# Allegro board HI3516APERB_VER_B_PCB.brd (continued)
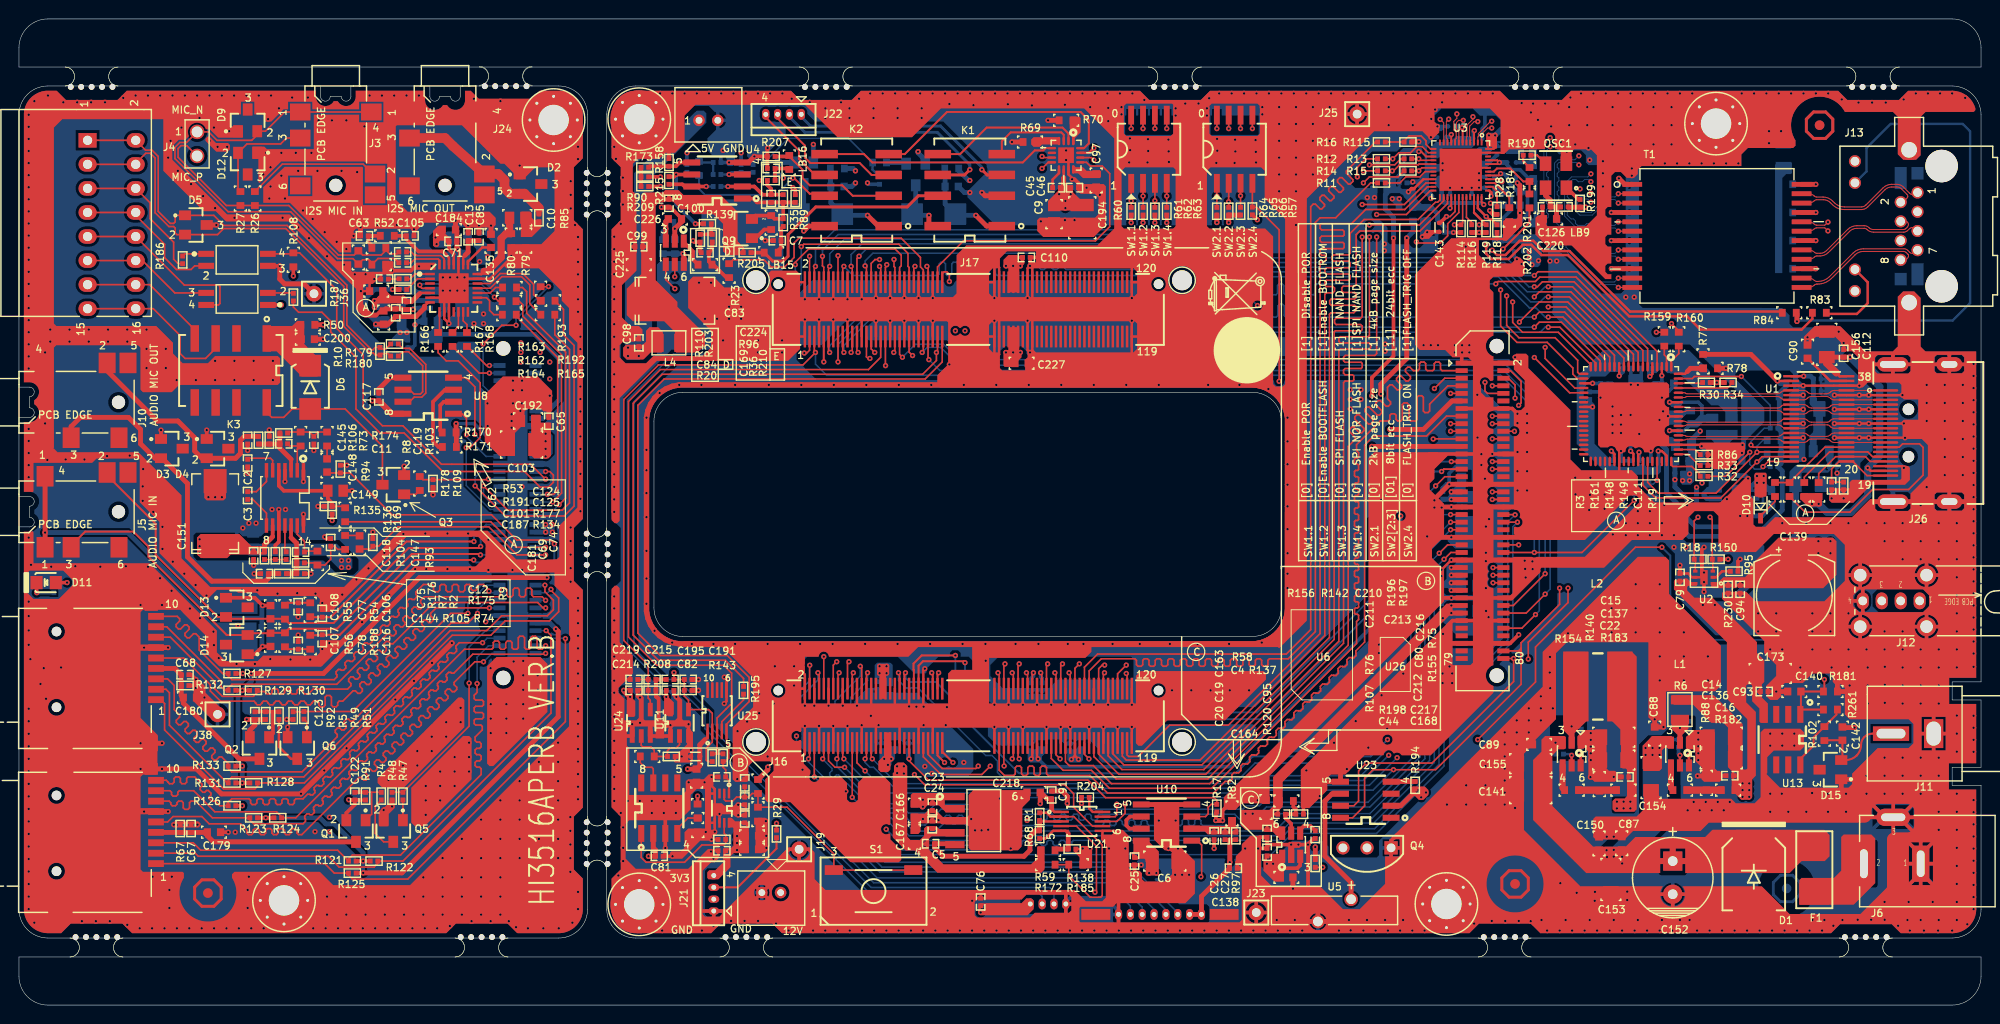
[diagram p0: board, top side]
## Nets (continued)
GND: C1.2 C6.2 C7.2 C8.2 C9.2 C14.2 C15.2 C16.2 C17.2 C18.2 C19.2 C20.2 C21.2 C22.2 C23.2 C24.2 C25.2 C26.2 C28.2 C29.2 C30.2 C31.2 C32.2 C33.2 C34.2 C35.2 C36.2 C37.2 C38.2 C39.2 C40.2 C41.2 C42.2 C43.2 C44.2 C46.2 C47.2 C48.2 C49.2 C50.2 C51.2 C52.2 C53.2 C54.2 C55.2 C56.2 C57.2 C58.2 C59.2 C60.2 C61.2 C64.2 C76.2 C79.2 C80.2 C81.2 C82.2 C83.2 C84.2 C86.2 C87.2 C88.2 C89.2 C90.2 C91.2 C92.2 C93.2 C94.2 C95.2 C96.2 C97.1 C98.2 C99.2 C100.2 C102.2 C109.2 C110.2 C111.2 C112.2 C113.2 C114.2 C115.2 C126.2 C127.2 C128.2 C129.2 C130.2 C131.2 C132.2 C133.2 C134.2 C136.2 C137.2 C138.2 C139.2 C140.2 C141.2 C142.2 C143.2 C146.2 C150.2 C152.2 C153.2 C154.2 C155.2 C156.2 C157.2 C158.2 C159.2 C160.2 C161.2 C162.2 C163.2 C164.2 C165.2 C166.2 C167.2 C168.2 C170.2 C171.2 C172.2 C173.2 C174.2 C175.2 C176.2 C177.2 C178.2 C183.2 C188.2 C189.2 C191.2 C194.2 C195.2 C196.2 C197.2 C198.2 C201.2 C202.2 C203.2 C204.2 C205.2 C206.2 C207.2 C209.2 C210.2 C211.2 C212.2 C213.2 C214.2 C215.2 C216.2 C217.2 C218.2 C219.2 C220.2 C221.2 C222.2 C223.2 C224.2 C225.2 C226.2 C227.2 D1.1 D15.1 J6.1 J6.3 J8.1 J8.2 J8.13 J8.14 J8.25 J8.26 J8.33 J8.34 J8.39 J8.40 J8.47 J8.48 J8.53 J8.54 J8.63 J8.64 J8.69 J8.70 J8.75 J8.76 J11.2 J12.4 J12.5 J12.6 J12.7 J12.8 J13.11 J13.12 J13.13 J14.8 J15.2 J16.1 J16.2 J16.6 J16.7 J16.12 J16.13 J16.18 J16.19 J16.24 J16.25 J16.30 J16.31 J16.40 J16.41 J16.46 J16.49 J16.52 J16.55 J16.61 J16.62 J16.67 J16.68 J16.73 J16.74 J16.80 J16.83 J16.86 J16.89 J16.92 J16.93 J16.98 J16.101 J16.104 J16.107 J16.110 J16.113 J16.119 J16.120 J16.121 J16.122 J16.123 J16.124 J16.125 J16.126 J16.127 J16.128 J17.1 J17.2 J17.7 J17.8 J17.13 J17.14 J17.19 J17.20 J17.25 J17.26 J17.31 J17.32 J17.37 J17.38 J17.43 J17.44 J17.49 J17.50 J17.55 J17.56 J17.61 J17.62 J17.63 J17.64 J17.75 J17.76 J17.77 J17.78 J17.119 J17.120 J17.121 J17.122 J17.123 J17.124 J17.125 J17.126 J17.127 J17.128 J18.2 J19.1(TP-1) J20.4 J21.1 J23.1(TP-1) J25.1(TP-1) J26.2 J26.5 J26.8 J26.11 J26.17 J26.20 J26.21 J26.22 J26.23 K1.2(TP-2) M5.1 M5.2 M5.3 M5.4 M5.5 M5.6 M5.7 M5.8 M5.9 M6.1 M6.2 M6.3 M6.4 M6.5 M6.6 M6.7 M6.8 M6.9 M7.1 M7.2 M7.3 M7.4 M7.5 M7.6 M7.7 M7.8 M7.9 M8.1 M8.2 M8.3 M8.4 M8.5 M8.6 M8.7 M8.8 M8.9 OSC1.2(TP-2) Q4.1 Q7.2 Q8.2 R17.1 R18.1 R19.2 R30.2 R33.2 R34.2 R37.2 R38.2 R39.2 R40.2 R41.2 R42.2 R43.2 R44.2 R45.2 R46.2 R69.2 R70.2 R78.1 R82.1 R86.1 R88.2 R90.2 R95.2 R107.1 R110.2 R115.1 R118.1 R137.2 R138.2 R140.2 R142.1 R143.2 R155.1 R157.2 R158.2 R181.2 R184.2 R185.2 R198.1 R204.2 R206.2 R207.2 R208.2 R210.2 R212.2 R230.2 S1.1 S1.2 U1.3 U1.5 U1.8 U1.11 U1.14 U1.25 U1.28 U1.31 U1.34 U1.36 U2.5 U2.7 U3.43 U3.47 U3.49 U4.4(TP-4) U5.2 U6.3(TP-3) U9.1 U10.4(TP-4) U10.5(TP-5) U11.1 U11.3 U13.5(TP-5) U15.1 U16.11 U16.17 U18.2 U19.3 U19.6 U20.2 U21.6 U22.43 U22.57 U22.63 U22.73 U23.5(TP-5) U24.1 U24.3 U25.6 U26.4 U26.5 U26.6 U27.2
PGND: C2.1(TP-1) C13.2(TP-2) C63.2(TP-2) C65.2 C66.2 C67.2 C68.2 C69.2 C70.2 C71.2 C72.2 C73.2 C74.2 C75.2 C77.2(TP-2) C78.2(TP-2) C85.2 C101.2 C103.2 C104.2 C105.2 C106.2 C116.2 C117.2 C118.2 C119.2 C135.2 C144.2 C145.2 C149.2 C151.2 C179.2 C180.2 C181.2 C182.2 C184.2 C185.2 C186.2 C187.2 C190.2 C192.2 C193.2 C199.2 C200.2 C208.2 D2.1 D3.1 D4.1 D5.3 D9.1 D12.1 J1.6 J1.9 J1.10 J1.11 J1.13 J2.6 J2.9 J2.10 J2.11 J2.13 J9.1 J9.2 J9.13 J9.14 J9.25 J9.26 J9.33 J9.34 J9.39 J9.40 J9.47 J9.48 J9.53 J9.54 J9.63 J9.64 J9.69 J9.70 J9.75 J9.76 J10.1 J10.4 J24.1 J24.4 J36.1(TP-1) J38.1(TP-1) M9.1 M9.2 M9.3 M9.4 M9.5 M9.6 M9.7 M9.8 M9.9 M10.1 M10.2 M10.3 M10.4 M10.5 M10.6 M10.7 M10.8 M10.9 Q3.2 Q5.2 Q6.2 R7.1 R48.2 R49.2 R67.2 R73.2 R74.2 R79.1 R80.2 R93.2 R94.2 R109.2 R132.2 R135.2 R189.2 R191.2 R200.2 U7.1 U7.4 U7.10 U7.14 U8.5(TP-5) U12.3 U17.6 U17.9 U17.10 U17.20 U17.24 U17.29
VDD_AUDIO: C75.1 C151.1 R81.2 R176.2 U7.9
VDDREG: C28.1 C129.1 LB12.2 U3.44 U3.45
A+: K2.4(TP-4) U16.16
A-: K1.5(TP-5) U16.2
AC_LINEL: J8.36 J16.57
AC_LINEL_C: C108.1 D13.2 J5.2 J9.36 R55.2
AC_LINER: J8.30 J16.59
AC_LINER_C: C107.1 D14.2 J5.3 J9.30 R56.2
AC_MICBIAS_L: J8.38 J16.58
AC_MICBIAS_L_C: C106.1 J9.38 R54.2
AC_MICBIAS_R: J8.28 J16.56
AC_MICBIAS_R_C: C116.1 J9.28 R188.2
AC_OUTL: J8.27 J16.50
AC_OUTL_C: C148.1 J9.27 R94.1
AC_OUTR: J8.29 J16.48
AC_OUTR_C: C147.2 J9.29 R93.1
AK7756_RSTN: J8.72 J17.53
AK7756_RSTN_C: J9.72 R193.2
ALARM_IN: J7.5 J7.6 R186.2
ALARM_IN_GND: J7.7 J7.8 U12.2
ALARM_OUT: J7.9 J7.10 U14.4
ALARM_OUT_GND: J7.11 J7.12 U14.3
AN0: R14.2 R112.2 U3.17
AN1: R15.2 R113.2 U3.18
AUDIO_L_OUT: C145.1 D4.2 J10.2 R106.1(TP-1)
AUDIO_R_OUT: C144.1 D3.2 J10.3 R105.2(TP-2)
B+: K2.5(TP-5) U16.5
B-: K1.4(TP-4) U16.3
CEC_A_HDMI: R3.1 R161.2 U1.23
CEC_A_SII9022A: R151.1 U1.16 U22.71
CVBS_DAC: C142.1 D15.2 J11.1 R102.2
DAMP+: K2.2(TP-2) LB16.2 R207.1
DAMP+/A+: J22.3 K2.3(TP-3)
DAMP-: K2.7(TP-7) LB14.2 R206.1
DAMP-/B+: J22.4 K2.6(TP-6)
DC_IRIS_PWM: J17.52 R23.1
DRIVE+: K1.7(TP-7) LB15.2 R205.2
DRIVE+/A-: J22.2 K1.6(TP-6)
DRIVE-/B-: J22.1 K1.3(TP-3)
DRIVING+_G: C7.1 LB15.1 R89.2
ENSWREG: R28.2 U3.38
EPHY_CLK: J16.88 R202.1
ETH_RSTN: C143.1 J16.94 U3.29
FLASH_RSTN: J17.33 R196.2 R197.2 U25.3
FLASH_TRIG: J17.3 U21.7
FLASH_TRIG_A: J8.50 U21.9
FLASH_TRIG_A_C: J9.50 R109.1 R178.1
FLASH_TRIG_COM: J7.15 J7.16 K3.3(TP-3)
FLASH_TRIG_NO: J7.13 J7.14 K3.4(TP-4)
FLASH_TRIG_VALID: R57.2 SW2.4 U21.8
GPIO1: J17.45 U16.14
GPIO2: J17.58 U16.13
GPIO3: J17.29 U16.7
GPIO4: J17.39 U16.8
GPIO5: J17.35 R45.1 R46.1 R144.1 R145.1
HI3516A_ALARM_IN: J8.49 J16.21
HI3516A_ALARM_IN_C: J9.49 R108.2 U12.4
HI3516A_ALARM_OUT: J8.51 J16.22
HI3516A_ALARM_OUT_C: J9.51 R187.2
HOT_PLUG_HDMI: C111.1 J26.19 R19.1 U1.20
HOT_PLUG_SII9022A: R32.2 R87.1 U1.19
I2C2_SCL: J8.78 J16.17 R160.2 U23.8(TP-8) U27.5
I2C2_SCL_C: J9.78 R167.2
I2C2_SDA: J8.80 J16.42 R159.2 U23.7(TP-7) U27.4
I2C2_SDA_C: J9.80 R168.2
I2S_BCLK_TX: J8.41 J16.11
I2S_BCLK_TX_C: J9.41 R163.2
I2S_MCLK: J8.43 J16.15
I2S_MCLK_C: J9.43 R162.2
I2S_SD_RX: J8.42 J16.3
I2S_SD_RX_C: J9.42 R166.2
I2S_SD_TX: J8.44 J16.5
I2S_SD_TX_C: J9.44 R165.2
I2S_WS_TX: J8.45 J16.9
I2S_WS_TX_C: J9.45 R164.2
IO3V3_SII9022A: C51.1 C52.1 C53.1 C61.1 C172.1 C177.1 LB2.2 R77.2 R87.2 R146.2 R147.2 R151.2 U1.2 U22.3 U22.21 U22.46
IR_LED_CONTROL: J16.16 J21.2
IRIS_5V0: C83.1 C99.1 C100.1 C225.1 L4.2 Q9.3 R205.1 U4.8(TP-8)
JTAG_TCK: J14.6 J16.8
JTAG_TDI: J14.4 J16.28
JTAG_TDO: J14.7 J16.4
JTAG_TMS: J14.5 J16.26
JTAG_TRSTN: J14.3 J16.20
LED0_ACTIVE/PHY_AD0: R83.1 R119.2 U3.34
LED1_LINK/PHY_AD1: R84.1 R118.2 U3.35
LIGHT_RESISTOR: J17.9 R29.1
MDCK: J16.108 U3.30
MDI0_N: T1.3 U3.2
MDI0_P: T1.2 U3.1
MDI1_N: T1.6 U3.5
MDI1_P: T1.5 U3.4
MDI2_N: T1.9 U3.8
MDI2_P: T1.8 U3.7
MDI3_N: T1.12 U3.11
MDI3_P: T1.11 U3.10
MDIO: J16.90 R114.2 U3.31
MICBIAS_AK7756_0: C105.1 R52.2 U17.26
MICINN_AK7756_0: C62.2 C125.1 D9.2 J3.1 J3.4 J4.1 R191.1
MICINP_AK7756_0: C62.1 C124.1 J4.2 R26.2 R27.2 R53.2
MUTE: J8.31 J16.29
MUTE_C: J9.31 R169.1
PER_RSTN: C215.1 C219.1 J8.52 J17.5 R31.1 R208.1 U24.4
PER_RSTN_C: J9.52 R192.2
PHY_AD2: R16.2 R115.2 U3.13
POR_SEL: J17.57 R60.2 R195.2 SW1.1
RGMII_RX_CLK: J16.102 R11.1
RGMII_RX_DV: J16.100 R16.1
RGMII_RXD0: J16.118 R12.1
RGMII_RXD1: J16.96 R13.1
RGMII_RXD2: J16.114 R14.1
RGMII_RXD3: J16.106 R15.1
RGMII_TX_CLK: J16.109 U3.22
RGMII_TX_EN: J16.111 U3.27
RGMII_TXD0: J16.117 U3.23
RGMII_TXD1: J16.103 U3.24
RGMII_TXD2: J16.115 U3.25
RGMII_TXD3: J16.105 U3.26
RS485_A_D+: D5.2 J7.3 J7.4 R10.1 R180.2
RS485_B_D-: D5.1 J7.1 J7.2 R10.2 R179.2
RXDLY: R116.2 U3.32
SD0_LED: J8.66 J17.51
SD0_LED_C: J9.66
SD1_LED: J8.68 J17.41
SD1_LED_C: J9.68
SDIO0_CARD_DETECT: J8.20 J16.51
SDIO0_CARD_DETECT_C: J2.12 J9.20 R127.2
SDIO0_CARD_POWER_EN: J8.22 J16.53
SDIO0_CARD_POWER_EN_C: J9.22 R49.1 R51.1
SDIO0_CCLK_OUT: J8.16 J16.64
SDIO0_CCLK_OUT_C: J2.5 J9.16
SDIO0_CCMD: J8.18 J16.65
SDIO0_CCMD_C: J2.3 J9.18 R133.2
SDIO0_CDATA0: J8.15 J16.63
SDIO0_CDATA0_C: J2.7 J9.15 R130.2
SDIO0_CDATA1: J8.17 J16.66
SDIO0_CDATA1_C: J2.8 J9.17 R129.2
SDIO0_CDATA2: J8.19 J16.69
SDIO0_CDATA2_C: J2.1 J9.19 R128.2
SDIO0_CDATA3: J8.21 J16.71
SDIO0_CDATA3_C: J2.2 J9.21 R131.2
SDIO0_VOUT: C127.1 J8.23 J16.82
SDIO0_VOUT_C: J9.23 R128.1 R129.1 R130.1 R131.1 R133.1
SDIO1_CARD_DETECT: J8.8 J16.99
SDIO1_CARD_DETECT_C: J1.12 J9.8 R126.2
SDIO1_CARD_POWER_EN: J8.10 J16.84
SDIO1_CARD_POWER_EN_C: J9.10 R47.1 R48.1
SDIO1_CCLK_OUT: J8.4 J16.70
SDIO1_CCLK_OUT_C: J1.5 J9.4
SDIO1_CCMD: J8.6 J16.72
SDIO1_CCMD_C: J1.3 J9.6 R121.2
SDIO1_CDATA0: J8.3 J16.91
SDIO1_CDATA0_C: J1.7 J9.3 R123.2
SDIO1_CDATA1: J8.5 J16.76
SDIO1_CDATA1_C: J1.8 J9.5 R124.2
SDIO1_CDATA2: J8.7 J16.85
SDIO1_CDATA2_C: J1.1 J9.7 R125.2
SDIO1_CDATA3: J8.9 J16.87
SDIO1_CDATA3_C: J1.2 J9.9 R122.2
SDIO1_VOUT: C102.1 J8.11 J16.78
SDIO1_VOUT_C: J9.11 R121.1 R122.1 R123.1 R124.1 R125.1
SELRGV: R12.2 R111.2 U3.14
SYS_RSTN: C191.1 C195.1 J17.60 R143.1 R196.1 U11.4 U25.2
TEMPER_DQ: J16.14 Q4.2 R120.2
TX0+_SII9022A: J26.7 U1.10 U1.29 U22.62
TX0-_SII9022A: J26.9 U1.12 U1.27 U22.61
TX1+_SII9022A: J26.4 U1.7 U1.32 U22.65
TX1-_SII9022A: J26.6 U1.9 U1.30 U22.64
TX2+_SII9022A: J26.1 U1.4 U1.35 U22.68
TX2-_SII9022A: J26.3 U1.6 U1.33 U22.67
TX+_0: J13.1 T1.23
TX+_1: J13.3 T1.20
TX+_2: J13.4 T1.17
TX+_3: J13.7 T1.14
TX-_0: J13.2 T1.22
TX-_1: J13.6 T1.19
TX-_2: J13.5 T1.16
TX-_3: J13.8 T1.13
TX_DSCL_HDMI: J26.15 R148.1 U1.22
TX_DSCL_SII9022A: R147.1 U1.17 U22.49
TX_DSDA_HDMI: J26.16 R149.1 U1.21
TX_DSDA_SII9022A: R146.1 U1.18 U22.48
TXC+_SII9022A: J26.10 U1.13 U1.26 U22.59
TXC-_SII9022A: J26.12 U1.15 U1.24 U22.58
TXDLY: R13.2 R117.2 U3.16
UART0_RXD: J17.46 J20.3
UART0_TXD: J17.42 J20.2
UART1_RTSN: J8.60 J16.10
UART1_RTSN_C: J9.60 R170.1 R171.1
UART1_RXD: J8.56 J16.23
UART1_RXD_C: J9.56 U8.1(TP-1)
UART1_TXD: J8.58 J16.27
UART1_TXD_C: J9.58 U8.4(TP-4)
USB_DM: J12.2 J17.23
USB_DP: J12.3 J17.21
USB_OVRCUR: J17.48 R150.2 U2.3
USB_PWREN: J17.54 R18.2 U2.4
VDAC_CVBS: C140.1 J16.44 R181.1 R261.1 U13.1(TP-1)
VI_POWER: C160.1 J16.45 R17.2 U10.3(TP-3)
VO_CLK: J17.18 U22.22
VO_DAT0/BOOT_SEL: J17.40 R62.2 SW1.3 U22.13
VO_DAT1/BOOTROM_SEL: J17.36 R61.2 SW1.2 U22.11
VO_DAT2: J17.22 U22.10
VO_DAT3/SFC_DEVICE_MODE: J17.30 R63.2 SW1.4 U22.9
VO_DAT4: J17.12 U22.8
VO_DAT5: J17.10 U22.7
VO_DAT6: J17.28 U22.6
VO_DAT7: J17.6 U22.4
VO_DAT8: J17.34 U22.23
VO_DAT9/SFC_NAND_BOOT_PIN0: J17.4 R66.2 SW2.3 U22.20
VO_DAT10/SFC_NAND_BOOT_PIN1: J17.16 R65.2 SW2.2 U22.19
VO_DAT11/SFC_NAND_BOOT_PIN2: J17.27 R64.2 SW2.1 U22.18
VO_DAT12: J17.17 U22.17
VO_DAT13: J17.15 U22.16
VO_DAT14: J17.24 U22.15
VO_DAT15: J17.11 U22.14
WDG_RSTN/SYS_RSTN_OUT: C213.1 J17.59 R197.1 U25.5 U26.1
$5N43: R140.1 R154.2 R183.1
$5N44: C121.1 R25.2
$5N45: R25.1 U15.6
$5N46: C121.2 L2.1 U15.2
$5N48: R72.2 U15.5
$5N84: R154.1 U15.4
$5N261: R6.1 U9.4
$5N264: R71.2 U9.5
$5N266: C120.2 L1.1 U9.2
$5N267: R24.1 U9.6
$5N268: C120.1 R24.2
$5N269: R6.2 R88.1 R182.1
$5N279: C92.1 U18.4
$5N327: C4.2 R58.2 R137.1 U20.5
$5N334: C95.1 U20.4
$5N461: F1.1(TP-1) J6.2
$6N866: C26.1 C27.2 R82.2 R97.1 U10.2(TP-2)
$6N882: U10.6(TP-6) U10.7(TP-7)
$6N887: U10.1(TP-1) U21.4
$6N893: R59.2 R68.2 R138.1 U21.5
$6N897: R1.2 R172.2 R185.1 U21.2
$6N913: C5.2 R1.1 R68.1 U19.5 U21.3
$6N990: R204.1 U21.10
$7N571: R37.1 SW2.8
$7N573: R38.1 SW2.6
$7N577: R40.1 SW2.7
$7N580: R39.1 SW2.5
$7N585: R41.1 SW1.5
$7N588: R44.1 SW1.6
$7N590: R42.1 SW1.7
$7N591: R43.1 SW1.8
$8N612: R95.1 U2.2
$9N415: L3.1 U3.48
$9N436: R11.2 U3.19
$9N438: R184.1 U3.39
$9N480: R98.1 T1.24
$9N481: R99.1 T1.21
$9N482: R100.1 T1.18
$9N483: R101.1 T1.15
$9N553: C146.1 R98.2 R99.2 R100.2 R101.2
$9N568: J13.14 R84.2
$9N874: C39.1 C40.1 C41.1 C42.1 T1.1 T1.4 T1.7 T1.10
$9N898: J13.15 R83.2
$9N900: C126.1 C220.1 LB9.1 OSC1.4(TP-4)
$9N902: OSC1.1(TP-1) R199.2
$9N911: OSC1.3(TP-3) R190.1
$9N912: R190.2 R201.1
$9N916: R201.2 R202.2 U3.42
$10N147: J21.3 R29.2
$11N424: R102.1 R261.2 U13.8(TP-8)
$11N446: R76.1 R107.2 U6.4(TP-4)
$11N448: R156.1 U6.7(TP-7)
$11N450: C80.1 C216.1 R75.1 R155.2 S1.3 S1.4 U26.2
$11N496: R142.2 R156.2 U11.2 U24.2
$11N555: R198.2 U6.1(TP-1) U26.7
$11N593: R195.1 U25.4
$12N341: R69.1 U16.4
$12N342: R70.1 U16.1
$12N344: C45.1 U16.9
$12N345: C97.2 U16.12
$12N401: Q7.1 R144.2
$12N421: D7.1 K1.8(TP-8) Q7.3
$12N423: C133.1 D7.2 K1.1(TP-1) R21.2
$12N450: D8.1 K2.8(TP-8) Q8.3
$12N451: C134.1 D8.2 K2.1(TP-1) R22.2
$12N476: Q8.1 R145.2
$12N864: C169.1 R36.1 R96.2 R213.2 U4.2(TP-2)
$12N866: R213.1 R215.2 U4.7(TP-7)
$12N868: C84.1 R20.2 R23.2 R203.1
$12N937: R20.1 U27.1
$12N939: R139.2 R215.1 U4.6(TP-6)
$12N950: R90.1 R173.1 R209.2
$12N953: R110.1 R139.1 R203.2
$12N954: R158.1 R173.2 U4.5(TP-5)
$12N956: R211.2 R212.1 U27.6
$12N962: C223.1 LB14.1 R141.1
$12N967: Q9.1 R35.2
$12N972: R141.2 R157.1 R214.2 U4.3(TP-3)
$12N974: C224.1 LB16.1 R96.1
$12N979: C169.2 Q9.2 R35.1 R36.2 R89.1 R210.1 U4.1(TP-1)
$13N641: R34.1 U22.69
$13N642: R86.2 U22.56
$13N661: R32.1 U22.54
$13N662: R30.1 U22.70
$13N663: R33.1 U22.55
$13N666: R77.1 R78.2 U22.72
$13N672: C1.1 R31.2 U22.51
$13N751: R160.1 U22.1
$13N752: R159.1 U22.2
$14N211: C90.1 U1.37
$14N216: D10.1 R3.2
$14N239: J26.13 R161.1
$15N757: U5.1 U23.6(TP-6)
$15N768: R194.2 U23.4(TP-4)
$19N1026: D11.2 R200.1
$20N399: C67.1 C179.1 J1.4 Q1.3 R67.1
$20N434: C122.2 Q1.1 R4.1 R91.2
$20N436: Q5.1 R47.2
$20N437: Q5.3 R4.2
$20N540: C68.1 C180.1 J2.4 Q2.3 R132.1
$20N553: C123.2 Q2.1 R5.1 R92.2
$20N554: Q6.1 R51.2
$20N555: Q6.3 R5.2
$21N21: C101.1 R177.2
$21N25: R177.1 U17.1
$21N126: R134.2 U17.2
$21N132: C135.1 U17.22
$21N337: C10.2 R79.2 R85.2
$21N380: C124.2 U17.27
$21N382: C125.2 U17.28
$21N394: R162.1 U17.4
$21N396: R163.1 U17.17
$21N398: R164.1 U17.16
$21N400: R165.1 U17.18
$21N402: R166.1 U17.8
$21N407: C13.1(TP-1) C85.1 U17.23
$21N418: R167.1 U17.12
$21N420: R168.1 U17.13
$21N474: C10.1 R80.1 U17.21
$21N503: D12.2 J3.3 R27.1
$21N532: C63.1(TP-1) R52.1 R53.1
$21N540: R192.1 R193.1 U17.19
$21N596: D2.2 J24.2 J24.3 R85.1
$21N612: J3.2 R26.1
$22N273: C149.1 R135.1 R136.2 R169.2 U7.5
$22N275: C147.1 R104.2
$22N277: C118.1 R9.2 R104.1 R175.2
$22N278: C12.1 R74.1 R105.1(TP-1) R175.1 U7.12
$22N286: C3.1(TP-1) U7.7
$22N288: C148.2 R103.1
$22N289: C11.1 R8.2 U7.2
$22N290: C11.2 R73.1 R106.2(TP-2) R174.2 U7.3
$22N292: C2.2(TP-2) U7.6
$22N293: R2.1 U7.11
$22N298: C3.2(TP-2) U7.8
$22N300: C119.1 R8.1 R103.2 R174.1
$22N304: R2.2 R7.2 R176.1
$22N309: C12.2 R9.1 U7.13
$22N453: C107.2 C108.2 D13.1 D14.1 J5.1 J5.4 R189.1
$22N583: C77.1(TP-1) R54.1 R55.1
$22N609: C78.1(TP-1) R56.1 R188.1
$23N945: R180.1 U8.6(TP-6)
$23N947: R171.2 U8.3(TP-3)
$23N948: R170.2 U8.2(TP-2)
$23N961: R179.1 U8.7(TP-7)
$23N1102: R186.1 U12.1
$23N1262: R187.1 U14.2
$23N1280: Q3.1 R178.2
$23N1296: C200.1 D6.2 K3.1(TP-1) R50.2
$23N1297: D6.1 K3.8(TP-8) Q3.3

Pads without a net: D2 3; D3 3; D4 3; D9 3; D12 3; D13 3; D14 3; D15 3; J3 5 6; J5 5 6; J8 12 24 32 46 62 71 73 74 77 79; J9 12 24 32 46 62 71 73 74 77 79; J10 5 6; J16 32 33 38 39 43 47 54 60 75 81 97 112 116; J17 47 65 66 73 74 79 80 81 82 83 84 85 86 87 88 89 90 91 92 93 94 95 96 97 98 99 100 101 102 103 104 105 106 107 108 109 110 111 112 113 114 115 116 117 118; J24 5 6; J26 14; K3 2 5 6 7; NOREF#17 1; NOREF#39 1; NOREF#43 1; NOREF#45 1; NOREF#46 1; NOREF#48 1; U3 12 20 33 46; U6 5 6 8; U13 2 3 6 7; U16 6; U17 3 11 14 15; U22 24 25 27 28 29 30 31 32 33 34 35 36 37 38 39 40 41 44 45 50 52; U23 1 3; U25 7 8 9 10; U26 3

## Via types
v1: diameter 0.559, hole 0.254, TOP to BOTTOM, 2150 vias

## Routing (per net, layer and track width the routed paths; a pad name or vN(x,y) marks a point on that pad's centre or on a via; arc(x,y) is an arc through that point)
1V2_SII9022A: length 2.9
  BOTTOM w0.508: U18.5 178.08,53.51 177.8,53.79 177.8,54.03 178.23,54.46 U18.6
1V2A_SII9022A: length 12.1
  TOP w0.254: U22.60 v1(174.16,60.67) ; U22.66 v1(174.16,63.67)
  BOTTOM w0.381: C170.1 175.7,60.65 C48.1 174.18,60.65 v1(174.16,60.67) ; 177.57,61.98 177.57,63.29 177.19,63.67 175.44,63.67 C47.1 174.46,63.37 v1(174.16,63.67)
  BOTTOM w0.762: C170.1 176.99,61.4 177.57,61.98 LB1.2
1V2D_SII9022A: length 12.7
  TOP w0.254: v1(168.02,58.51) 168.35,58.19 U22.42 ; v1(172.97,58.51) 173.35,58.51 173.85,58.02 U22.53 ; v1(170.94,58.39) 170.85,58.29 U22.47 ; U22.26 v1(166.04,63.17) ; U22.12 v1(168.85,66.45) ; v1(172.09,66.39) 172.09,66.39 172.35,66.64 U22.5
  BOTTOM w0.381: v1(172.97,58.51) 173,58.49 C55.1 173,56.76 ; C56.1 168.25,58.29 v1(168.02,58.51) ; v1(170.94,58.39) 170.97,58.36 C57.1 ; C54.1 171.98,66.49 v1(172.09,66.39) ; C50.1 169.27,66.87 v1(168.85,66.45)
1V05A_PHY: length 15.7
  TOP w0.203: U3.9 v1(151.13,91.94) ; U3.40 156.2,87.22 v1(156.46,86.96) ; v1(153.57,92.36) 153.57,92.19 153.53,92.16 U3.3
  ART04 w0.381: v1(156.46,86.96) 156.11,86.96 v1(151.13,91.94)
  BOTTOM w0.381: C32.1 156.17,86.96 v1(156.46,86.96) ; C34.1 152.65,91.53 ; C34.1 153.45,92.25 v1(153.57,92.36) ; C34.1 153.45,91.07 153.42,91.03 ; v1(151.13,91.94) 150.85,91.66 C36.1 150.58,90.99 150.5,90.9
1V05D_PHY: length 9.4
  TOP w0.203: U3.36 154.33,84.78 v1(154.56,84.55) ; U3.28 151.13,84.5 151.13,84.3 v1(151,84.17)
  BOTTOM w0.381: C31.1 151,84.17 v1(151,84.17) ; C31.1 150.46,84.72 150.11,85.06 150.11,86.65 C132.1 ; C31.1 C30.1 154.39,84.72 v1(154.56,84.55)
1V8: length 78
  TOP w0.254: 111.42,26.33 v1(111.05,25.95) ; 111.42,26.33 v1(111.8,25.95) ; 111.42,26.33 J16.95
  TOP w0.508: v1(146.43,81.01) 146.43,68.29 143.7,65.56 v1(143.7,64.55) ; J8.67 v1(151.14,41.4) 150.78,41.4 v1(150.24,40.86) 132.99,23.62 R58.1 ; J8.65 v1(151.14,42.2)
  ART04 w0.508: v1(151.14,42.2) 149.79,42.2 147.32,44.67 147.32,60.93 v1(143.7,64.55)
  BOTTOM w0.508: R153.1 147.09,81.67 v1(146.43,81.01)
  vias: v1(129.41,20.21) v1(130.18,20.21)
1V8_C: length 30.4
  BOTTOM w0.508: LB7.1 40.75,74.42 C73.1 C190.1 44.5,74.42 C208.1 44.91,73.32 44.13,72.55 C186.1 ; 55.55,62.75 J9.67 ; 55.55,62.75 55.55,62.22 55.28,61.95 J9.65 ; 55.55,62.75 55.83,62.75 57.02,63.94 57.02,68.24 54.43,70.83 43.74,70.83
1V8D_AK7756EN: length 16.5
  TOP w0.254: U17.5 42.35,75.21 42.29,75.15
  TOP w0.508: C74.1 41.43,74.29 42.29,75.15
  TOP w0.559: 37.85,74.39 v1(37.52,74.39) v1(37.52,73.68) ; 37.85,74.39 40.79,74.39 ; 37.85,74.39 38.1,74.64 ; 40.79,74.39 40.54,74.64 39.15,74.64 ; 40.79,74.39 C74.1 ; 39.15,74.64 C187.1 38.39,74.94 38.1,74.64 ; 39.15,74.64 38.1,74.64
  BOTTOM w0.508: LB7.2 38.27,74.39 v1(37.52,74.39) 37.52,74.01 ; LB7.2 38.32,73.68 v1(37.52,73.68) 37.52,74.01 ; LB7.2 37.52,74.01
3V3: length 101.4
  TOP w0.254: v1(113.41,90.52) 112.9,90.01 U16.15 ; 108.97,20.67 109.24,20.4 U21.1 ; J16.37 91.92,26.12 v1(92.04,26) ; v1(91.3,26) 91.42,26.12 J16.35 ; 72.39,28.03 72.66,28.3 U25.1 ; 110.24,87.34 U16.10
  TOP w0.381: 147.07,22.55 R194.1 ; U20.3 135.19,14.76 134.87,14.45 132.72,14.45 ; v1(105.66,78.07) 105.62,78.11 105.89,78.38 C110.1 105.16,78.96 ; R63.1 v1(121.11,82.64) ; C82.1 v1(68.3,32.56) ; R62.1 v1(119.86,82.64) ; R150.1 v1(180.34,47.08) ; C27.1 R97.2 ; R61.1 v1(118.61,82.64) ; R57.1 v1(130.67,82.94) ; R209.1 v1(67.69,86.45) ; R60.1 v1(117.36,82.64) ; R76.2 v1(71.6,22.07)
  TOP w0.508: v1(127.64,82.65) R65.1 R66.1 ; J8.61 v1(151.14,43.8) ; 107.76,22.38 C218.1 ; 107.76,22.38 v1(107.76,21.28) ; 107.76,22.38 107.89,22.38 108.48,21.79 C91.1 108.97,20.67 ; J8.57 v1(151.14,45.4) ; v1(66.42,15.72) C81.1 67.16,16.38 66.93,16.6 U6.2 ; v1(79.02,25.14) 79.02,24.86 R75.2 ; 110.24,87.34 110.24,87.34 110.24,86.45 ; 72.39,28.03 71.84,27.49 C210.1 71.84,25.27 C211.1 v1(70.55,24.92) ; R28.1 155.6,83.51 v1(155.19,83.91) ; LB9.2 163.49,84.27 R199.1 v1(165.3,84.27) ; J8.55 v1(151.14,46.2) ; J8.59 v1(151.14,44.6) ; C226.1 68.25,82.76 v1(68.25,82) 68.25,80.7 U27.3 ; J14.2 J14.1 124.77,11.48 C138.1 127.74,15.06 v1(127.76,15.08) 127.76,17.47 ; R116.1 v1(154.08,81.6) R119.1 ; R120.1 v1(136.78,16.69) ; C217.1 76.62,17.85 v1(75.77,17.85) ; U23.2 145.8,21.05 147.07,22.32 147.07,22.55 ; R64.1 v1(126.39,82.65)
  POWER5 w0.381: 138.76,16.6 Q4.3 ; Q4.3 140.64,16.6 ; Q4.3 139.7,15.66 ; Q4.3 139.7,17.55
  POWER5 w1.016: J13.16 190.04,71.72 189.99,71.72
  BOTTOM w0.254: 184.02,54.35 184.02,52.93 183.66,52.56 U18.3
  BOTTOM w0.381: R214.1 v1(76.2,90.01) ; 158.75,80.91 158.71,80.87 C29.1 v1(159.36,79.6) ; C128.1 v1(160.34,78.62) ; v1(68.25,82) 68.3,82.04 C109.1
  BOTTOM w0.508: R211.1 67.94,81.69 v1(68.25,82) ; R21.1 99.16,88.13 100.2,87.09 v1(100.33,87.09) ; v1(88.27,88.11) 88.01,88.36 R22.1 ; LB11.1 LB10.1 LB12.1 ; 145.62,84.45 v1(144.91,85.16) v1(145.64,85.16) 145.62,85.13 145.62,84.45 ; 145.62,84.45 R152.1 ; v1(159.36,79.6) 159.36,78.94 ; v1(176.28,56.1) 176.28,57.38 C175.1 ; v1(177.39,60.62) 176.49,59.72 LB2.1 ; C59.1 v1(175.54,55.39)
  BOTTOM w0.762: C175.1 176.49,57.73 LB2.1
  vias: v1(63.8,33.24) v1(64.49,32.56) v1(75.77,17.11) v1(75.77,16.38) v1(91.69,25.37) v1(101.47,9.77) v1(104.14,78.07) v1(104.14,68.93) v1(104.9,78.07) v1(104.9,68.93) v1(105.66,68.93) v1(109.75,85.64) v1(110.41,84.93) v1(110.41,84.17) v1(110.97,85.64) v1(119.25,13.94) v1(120.02,13.94) v1(131.67,14.93) v1(132.33,14.93) v1(147.96,21.94) v1(148.46,22.45) v1(159.36,78.86) v1(159.64,78.19) v1(168.61,21.48) v1(168.61,20.77) v1(169.32,21.48) v1(169.32,20.77) v1(170.03,21.48) v1(170.03,20.77) v1(176.28,55.39) v1(183.39,55.87) v1(183.39,55.16) v1(184.1,55.87) v1(184.1,55.16)
3V3_1V8_RGMII_IO: length 107.6
  TOP w0.203: U3.15 148.47,89.62 147.96,90.14 v1(147.7,90.14) ; 148.19,87.22 U3.21
  TOP w0.254: v1(107.54,26) 107.42,26.12 J16.79 ; J16.77 106.92,26.12 v1(106.8,26) ; 147.19,86.23 148.19,87.22
  TOP w0.381: v1(146.61,85.9) 146.94,86.23 147.19,86.23 ; R114.1 v1(151.36,81.6) ; v1(145.03,81.01) 145.03,68.55 142.75,66.26 v1(142.75,64.36)
  ART04 w0.381: v1(142.75,64.36) 145.8,61.31 v1(145.8,51.66)
  BOTTOM w0.381: 150.39,82.21 C43.1 150.39,81.6 v1(151.36,81.6) ; 143.36,87.37 R112.1 R111.1 ; v1(107.54,26) 108.37,25.18 127.95,25.18 145.8,43.02 v1(145.8,51.66)
  BOTTOM w0.508: 150.39,82.21 149.68,82.92 149.68,83.58 149.03,84.23 C209.1 ; C165.1 144.35,85.74 144.17,85.57 144.17,84.07 145.03,83.2 v1(145.03,81.01)
3V3_C: length 24.1
  TOP w0.381: C122.1 35.43,21.18 34.54,20.29 Q1.2 ; C122.1 R91.1 ; C122.1 34.82,21.66 v1(34.8,21.68) ; D11.1 v1(5.08,44.62) ; R108.1 v1(28.96,77.01) ; R127.1 v1(23.62,35.02) ; U14.1 v1(27.7,73.95) ; R126.1 v1(23.57,21.05) ; R136.1 v1(33.05,51.17)
  TOP w0.508: C123.1 v1(24.03,30.17) ; C123.1 24.89,29.56 24.36,29.03 Q2.2 ; C123.1 R92.1 ; 38.34,63.46 C117.1 v1(37.29,63.82) ; R50.1 v1(32.11,71.85)
  TOP w0.635: U8.8 39.34,62.45 38.34,63.46
  BOTTOM w0.508: J9.57 v1(55.57,58.75) ; LB5.1 40.35,71.04 ; J9.55 v1(55.57,57.95) ; J9.61 v1(55.57,60.35) ; J9.59 v1(55.57,59.55)
  vias: v1(40.22,71.04) v1(40.93,71.04) v1(48.6,78.53) v1(49.44,79.04)
3V3A_AK7756EN: length 3.5
  TOP w0.254: U17.25 45.87,79.32
  TOP w0.381: 45.87,79.32 45.39,79.8 C71.1
  TOP w0.508: C184.1 44.67,81.07
  vias: v1(43.95,81.07) v1(44.07,80.36)
3V3A_PHY: length 17.8
  TOP w0.203: v1(156.34,87.81) 156.15,87.62 U3.41 ; U3.6 152.33,92.62 v1(152.27,92.68)
  ART04 w0.381: v1(156.34,87.81) 152.27,91.88 v1(152.27,92.68)
  BOTTOM w0.381: LB10.2 158.25,82.61 159.18,83.53 159.18,85.52 158.81,85.88 C221.1 158.16,85.88 157.23,86.82 157.23,87.14 157.01,87.36 C37.1 156.67,87.81 v1(156.34,87.81) ; C38.1 152.14,92.8 v1(152.27,92.68)
3V3D_AK7756EN: length 13.9
  TOP w0.254: U17.7 43.18,74.21 42.79,73.82
  TOP w0.508: v1(37.64,71.91) C181.1 38.95,71.91 C69.1 41.88,72.71 42.79,73.62 42.79,73.82 ; R134.1 v1(39.42,75.58)
  BOTTOM w0.508: v1(39.42,75.58) 37.52,75.58 36.58,74.64 36.58,73.25 37.74,72.08 37.74,71.93
3V3D_PHY: length 7.4
  TOP w0.203: 155.32,85.82 155.12,86.02 U3.37
  TOP w0.381: v1(155.32,85.44) 155.32,85.82
  BOTTOM w0.381: v1(155.32,85.44) 155.66,85.78 C33.1 155.96,86.33 156.4,85.88 C222.1 157.1,85.88 157.48,85.5 157.48,84 LB11.2
5V0: length 28.4
  TOP w0.254: C93.1 183.74,33.65 183.64,33.75 ; C93.1 183.74,32.58 183.64,32.48 ; C93.1 183.13,33.11 ; C79.1 175.74,44.77 175.77,44.8 ; C79.1 174.85,44.77 174.75,44.67 ; C79.1 175.26,44.29
  TOP w0.381: C98.1 65.94,69.54 66.04,69.44 ; C98.1 65.41,68.93 ; C98.1 64.87,69.54 64.77,69.44
  TOP w0.508: J8.35 v1(151.14,54.2) ; R182.2 v1(181.86,22.7) ; J8.37 v1(151.14,53.4)
  BOTTOM w0.508: 191.02,57.64 C114.1
  BOTTOM w0.762: v1(177.67,42.26) v1(178.94,42.26) 180.28,42.26 187.45,49.43 C159.1 ; LB4.1 191.02,57.64
  vias: v1(64.26,69.44) v1(64.26,68.55) v1(65.41,68.55) v1(95.38,21.68) v1(95.38,20.95) v1(181.86,23.41) v1(181.86,21.99) v1(182.58,23.41) v1(182.58,22.7) v1(182.58,21.99)
5V0_C: length 7.2
  BOTTOM w0.508: v1(55.57,50.75) 55.57,50.66 ; v1(55.57,50.75) v1(56.28,50.75) 56.28,50.66 ; v1(55.57,50.75) J9.37 ; 55.57,50.66 v1(56.28,49.95) ; 55.57,50.66 v1(55.57,49.95) ; 56.28,50.66 v1(55.57,49.95) ; 56.28,50.66 v1(56.28,49.95) ; v1(56.28,49.95) v1(55.57,49.95) ; v1(55.57,49.95) J9.35
  vias: v1(34.04,46.96) v1(34.04,46.22) v1(34.77,46.96) v1(34.77,46.22)
5V0_HDMI: length 32
  TOP w0.254: J26.18 195.39,56.42 v1(195.07,56.74) ; 191.77,66.77 192.12,66.42 U1.38
  TOP w0.508: R149.2 v1(189.9,52.93) ; v1(193.22,68.43) C112.1 C156.1
  TOP w0.762: C156.1 190.75,67.79 191.77,66.77
  BOTTOM w0.762: v1(193.22,68.43) 196.34,65.31 196.34,58.01 v1(195.07,56.74) 195.07,53.82 193.29,52.04 190.79,52.04 v1(189.9,52.93) v1(189.19,52.93)
5V0_SII9022A: length 10.6
  TOP w0.254: U1.1 v1(188.31,66.42)
  BOTTOM w0.508: v1(188.31,66.42) 189.05,66.42 C113.1 C115.1 189.33,64
  BOTTOM w0.762: LB4.2 189.32,59.98 C158.1 C157.1 189.33,63.59 189.33,64
5V0_USB: length 3.7
  TOP w0.254: R230.1 179.81,44.32 179.71,44.42 ; R230.1 180.34,44.93 ; R230.1 C94.1 ; C94.1 181.61,44.93 ; C94.1 182.09,44.32 182.12,44.29
  vias: v1(189.87,48.99) v1(189.87,47.72) v1(191.13,48.99) v1(191.13,47.72)
12V0: length 12.9
  TOP w0.254: U15.3 v1(162.13,27.71)
  TOP w0.381: C153.1 169.23,14.61
  TOP w0.635: 173.05,15.21 C152.1 ; C152.1 175.95,15.21 ; C152.1 174.5,16.66
  ART04 w0.381: 80.95,11.88 81.15,11.88
  ART04 w1.27: 81.1,12.62 J18.1 80.95,11.88 81.74,12.67
  BOTTOM w0.254: v1(162.13,27.71) 162.15,27.69 R72.1
  BOTTOM w0.381: R71.1 173.98,28.03 v1(173.1,27.16)
  vias: v1(167.51,16.35) v1(167.57,15.63) v1(168.28,16.39) v1(168.28,15.68) v1(169.16,15.67) v1(169.16,14.95) v1(171.63,27.16) v1(171.63,26.42) v1(172.36,27.16) v1(172.36,26.42) v1(173.1,26.42)
DVDD3318_SENSOR:
  vias: v1(90.81,35.78) v1(90.81,35.05) v1(91.54,35.78) v1(91.54,35.05) v1(92.66,25.22) v1(92.66,24.5) v1(93.37,25.22) v1(93.37,24.45)
GND: length 1765.1
  TOP w0.165: 88.9,72.99 88.92,72.97 88.92,72.51
  TOP w0.203: U3.43 152.33,88.42 ; 152.33,88.42 U3.49 ; 152.33,88.42 153.93,90.02 U3.47 156.58,90.02
  TOP w0.254: v1(95.58,35.53) 95.42,35.37 J16.52 95.42,31.16 95.5,31.08 ; J16.40 92.42,31.62 ; U1.14 v1(188.26,59.92) ; J16.73 v1(105.92,29.38) ; v1(198.74,64.42) J26.2 v1(195.18,64.42) 195.18,64.42 v1(194.18,64.42) U1.34 v1(191.56,64.42) ; J16.89 v1(109.92,29.38) ; 72.77,19.4 72.92,19.25 U26.5 ; J17.37 v1(91.92,72.28) ; J17.26 v1(88.92,74.54) ; J16.74 v1(105.92,31.72) ; J16.110 v1(114.92,31.72) ; U1.5 v1(188.26,64.42) ; R230.2 179.93,43.5 179.83,43.4 ; R230.2 C94.2 ; R230.2 180.34,42.89 ; 117.35,68.42 117.42,68.5 J17.119 ; J16.101 v1(112.92,29.38) ; 93.22,30.07 92.92,29.77 J16.41 ; J17.43 v1(93.42,72.28) ; J16.13 v1(85.92,29.48) ; J16.93 v1(110.92,29.38) ; 64.39,35.15 64.49,35.05 C219.2 63.7,34.38 ; J17.38 v1(91.92,74.67) ; J17.31 v1(90.42,72.28) ; 96.39,29.94 96.42,29.91 J16.55 ; v1(110.49,89.25) 110.74,89 U16.11 110.74,87.73 111.12,87.34 v1(111.12,87.22) ; 103.38,77.95 103.42,77.9 J17.64 103.42,74.56 103.38,74.52 ; J17.62 102.92,78 103,78.07 ; J17.62 102.06,76.35 101.85,76.55 ; J17.62 v1(102.92,74.67) ; 72.77,22.32 72.79,22.34 U26.4 ; J17.20 v1(87.42,74.54) ; 103,68.42 102.92,68.5 J17.61 ; 82.68,35.15 82.92,34.9 J16.2 ; J16.83 v1(108.42,29.38) ; U26.4 73.42,21.19 73.41,21.18 ; U26.4 73.42,22.82 73.03,23.21 ; J16.2 81.84,33.42 81.79,33.37 ; J16.2 v1(82.92,31.62) ; 151.89,80.92 156.9,80.92 ; v1(191.56,59.92) U1.25 v1(194.18,59.92) 195.18,59.92 v1(195.18,59.92) J26.11 199,59.92 v1(199.01,59.91) ; J16.46 93.92,31.62 ; J17.119 118.14,70.61 118.24,70.71 ; J17.119 v1(117.42,72.28) ; U1.8 v1(188.26,62.92) ; U22.63 174.02,62.17 v1(173.99,62.2) ; J17.120 118.19,76.35 118.36,76.17 ; J17.120 117.42,78.15 117.6,78.33 ; J17.120 v1(117.42,74.67) ; R198.1 v1(73.08,17.49) ; v1(106.42,74.67) J17.76 106.42,77.82 v1(106.68,78.07) 106.92,77.83 J17.78 106.92,74.66 106.93,74.64 ; 103.38,68.67 103.42,68.72 J17.63 103.42,72.31 103.38,72.36 ; J16.24 v1(88.42,31.62) ; 82.04,76.29 82.09,76.35 J17.2 v1(82.92,74.54) ; v1(198.88,56.74) 198.7,56.92 J26.17 ; 114.33,17.85 U21.6 115.55,18.4 ; v1(82.92,29.48) J16.1 82.92,26.5 82.68,26.26 ; 184.78,32.48 184.56,32.71 C93.2 ; 81.66,70.71 81.76,70.61 J17.1 v1(82.92,72.41) ; 177.93,59.15 177.91,59.17 U22.57 173.46,59.17 173.23,59.4 ; J17.13 v1(85.92,72.41) ; C212.2 v1(75.9,20.06) ; J16.61 v1(102.92,29.38) ; C94.2 181.61,42.89 ; C94.2 182.14,43.5 182.25,43.4 ; v1(151.14,47) 151.13,47 v1(150.09,45.97) 149.35,45.97 ; J16.107 v1(114.42,29.38) ; J16.86 v1(108.92,31.72) ; J26.5 v1(195.18,62.92) v1(194.18,62.92) U1.31 v1(191.56,62.92) ; J16.12 v1(85.42,31.62) ; J17.55 v1(96.42,72.28) ; J16.98 v1(111.92,31.72) ; J17.8 v1(84.42,74.54) ; J16.7 v1(84.42,29.48) ; J16.68 v1(104.42,31.72) ; v1(106.42,72.28) J17.75 106.42,69.19 v1(106.68,68.93) 106.92,69.17 J17.77 106.92,72.35 106.93,72.36 ; 101.73,70.33 102.01,70.61 J17.61 ; C93.2 184.56,33.65 184.66,33.75 ; C93.2 v1(185.42,33.11) ; U1.3 v1(188.26,65.42) U1.36 v1(194.19,65.42) ; J17.50 v1(94.92,74.67) ; J16.92 v1(110.42,31.72) ; J17.61 v1(102.92,72.28) ; J17.56 v1(96.42,74.67) ; U26.5 73.42,20.4 73.41,20.41 ; U26.5 v1(73.42,18.31) ; J17.44 v1(93.42,74.67) ; C79.2 176.12,45.59 176.53,45.18 U2.5 U2.7 ; J16.62 v1(102.92,31.72) ; U26.6 v1(73.92,20.19) ; J17.32 v1(90.42,74.67) ; 90.42,29.81 J16.31 ; C80.2 v1(75.9,21.15) ; J17.7 v1(84.42,72.41) ; v1(74.42,34.64) 74.66,34.4 U25.6 74.66,32.08 v1(74.42,31.84) ; J16.30 89.92,31.62 ; R107.1 v1(72.47,18.28) ; U1.11 v1(188.26,61.42) ; v1(169.04,58.51) 168.85,58.33 U22.43 168.85,56.34 168.96,56.23 ; J16.49 94.92,29.48 ; J17.19 v1(87.42,72.41) ; J16.6 v1(83.92,31.62) ; J16.113 v1(115.92,29.38) ; J16.18 v1(86.92,31.62) ; J17.14 v1(85.92,74.54) ; J16.104 v1(113.42,31.72) ; 89.28,72.87 88.92,72.51 J17.25 ; v1(198.88,61.44) 198.87,61.42 J26.8 v1(195.18,61.42) v1(194.18,61.42) U1.28 v1(191.56,61.42) ; J16.80 v1(107.42,31.72) ; J16.25 88.92,29.48 ; J16.119 v1(117.42,29.38) ; J16.120 v1(117.42,31.72) ; J16.19 v1(87.42,29.48) ; J16.67 v1(104.42,29.38) ; J17.49 v1(94.92,72.28)
  TOP w0.381: J12.7 201.28,43.92 201.29,43.91 ; J12.7 203.09,45.41 ; J12.7 201.28,46.89 ; J12.7 199.86,45.41 ; J21.1 73.31,9.15 73.28,9.11 ; J21.1 75.38,9.93 75.44,9.87 ; J21.1 71.94,9.93 71.88,9.87 ; J6.1 200.66,13.99 ; J6.1 200.66,15.89 ; J6.1 199.01,14.93 198.98,14.9 ; J6.1 202.54,14.93 202.54,14.93 ; 200.66,13.99 200.66,13.94 ; 200.66,13.99 202.03,12.62 ; J18.2 77.72,11.22 77.72,11.14 ; J18.2 79.04,12.54 79.12,12.54 ; J18.2 77.72,12.54 ; J18.2 79.12,11.14 ; J12.6 194.28,38.48 194.31,38.45 ; J12.6 192.86,39.97 ; J12.6 194.28,41.29 194.28,41.29 ; J12.6 196.09,39.97 ; 194.89,19.83 194.89,19.83 196.9,19.83 ; v1(177.8,48.35) 177.57,48.13 R18.1 177.57,45.41 U2.7 v1(177.8,44.67) v1(177.8,43.66) ; 148.97,81.67 149.22,81.67 ; 148.97,81.67 148.44,81.14 ; 148.97,81.67 148.63,81.67 v1(148.59,81.63) 148.1,81.14 ; 149.22,81.67 C143.2 ; 149.22,81.67 148.7,81.14 148.44,81.14 ; 200.66,17.7 200.66,17.69 200.66,15.9 ; J26.21 197.72,66.41 197.74,66.39 ; J26.21 195.44,67.67 ; J26.21 197.72,68.66 197.74,68.67 ; J26.21 J26.23 ; R118.1 155.96,80.92 ; 130.81,17.62 130.91,17.72 C19.2 131.7,16.96 ; 200.66,15.89 199.24,17.32 ; 200.66,15.89 200.66,15.9 ; C152.2 175.95,11.71 ; C152.2 174.5,10.26 ; C152.2 173.05,11.71 ; 200.05,18.13 198.35,19.83 ; 198.35,19.83 198.43,19.83 ; 198.35,19.83 J6.3 ; 131.7,16.96 131.7,16.56 C20.2 130.78,16.55 v1(130.76,16.54) ; 131.7,16.96 131.71,16.95 v1(134.24,16.95) ; 203.71,68.67 203.68,68.65 J26.23 ; v1(158.24,39.11) 157.34,38.2 J8.76 ; Q4.1 144.78,17.37 145.41,18 ; Q4.1 146.43,16.6 ; Q4.1 144.78,15.21 ; C99.2 64.26,80.1 ; C99.2 65,80.64 64.9,80.74 ; C99.2 65,79.57 64.9,79.47 ; J23.1 130.56,11.4 ; J23.1 130.56,8.35 ; J23.1 129.39,9.77 129.29,9.87 ; J23.1 131.98,9.77 132.08,9.87 ; v1(71.12,80.74) 71.27,80.59 R110.2 71.88,79.57 C84.2 ; 110.46,9.14 J20.4 ; J20.4 111.21,10.68 ; J20.4 110.46,11.75 ; 203.68,51.96 J26.22 203.68,54.68 203.71,54.7 ; J6.3 197.76,21.63 ; J6.3 197.76,17.77 ; J6.3 196.9,19.83 ; R207.2 v1(77.6,89.63) ; R207.2 C224.2 ; R207.2 78.97,90.49 v1(78.99,90.52) ; 202.03,26.76 J11.2 ; J11.2 202.03,30.57 ; J11.2 200.63,28.67 ; J11.2 203.42,28.67 ; C7.2 v1(78.74,80.74) ; 135.53,21.33 R137.2 ; 80.64,15.84 81.25,16.45 J19.1 ; v1(69.37,32.56) 69.11,32.81 C82.2 ; J26.23 203.68,66.29 203.71,66.26 ; J26.23 205.62,67.67 ; R82.1 127.43,20.97 127,20.54 v1(127,19.49) ; 136.03,16.93 v1(136.02,16.95) v1(135,16.95) v1(134.24,16.95) ; 136.03,16.93 136.03,17 136.63,17.6 C95.2 ; 136.03,16.93 136.02,16.92 136.02,12.16 ; 194.54,41.5 194.55,41.51 J12.4 ; U20.2 v1(134.24,16.95) ; 83.69,16.1 83.34,16.45 J19.1 ; J12.5 201.28,38.46 201.29,38.45 ; J12.5 199.86,39.97 ; J12.5 201.28,41.31 201.27,41.32 ; J12.5 203.09,39.97 ; J25.1 141.2,92.78 140.97,92.55 ; J25.1 142.6,94.1 142.62,94.07 ; J25.1 139.67,94.1 139.57,94.2 ; J25.1 141.2,95.57 141.22,95.6 ; 200.66,13.94 200.66,12.21 200.66,12.21 ; 200.66,13.94 199.29,12.57 ; 68.2,19.81 U6.3 v1(68.2,16.58) 68.2,15.94 C81.2 v1(68.96,15.72) ; U24.3 U11.1 v1(68.74,29.56) ; C26.2 v1(126.11,16.54) ; R210.2 81.92,86.07 v1(81.66,86.33) ; 194.54,43.96 194.55,43.95 J12.4 ; J12.4 193.29,42.69 ; v1(72.34,23.53) C211.2 v1(70.66,23.53) ; 115.95,8.48 116.02,8.55 J14.8 116.02,11.07 115.95,11.14 ; 179.37,24.2 179.4,24.22 C16.2 ; 196.9,19.83 195.4,21.33 ; 117.73,13.94 117.7,13.96 C25.2 ; 200.43,19.83 200.43,19.83 198.43,19.83 ; C195.2 C215.2 R208.2 67.21,32.56 ; 150.75,40.1 151.25,40.6 J8.69 J8.70 ; v1(148.08,81.14) 148.1,81.14 ; 148.1,81.14 148.44,81.14 ; v1(175.26,46.45) C79.2 ; 158.09,82.75 158.09,82.1 156.9,80.92 ; 116.71,14.83 116.74,14.8 C25.2 ; 192.86,45.41 192.86,45.41 J12.8 ; J19.1 82.32,14.85 82.3,14.83 ; C25.2 v1(118.41,14.8) ; 198.43,19.83 199.85,21.25 ; 148.79,58.2 J8.25 v1(155.46,58.2) J8.26 ; C46.2 111.76,86.35 111.76,86.84 111.38,87.22 v1(111.12,87.22) ; J12.8 194.28,44.12 194.28,44.11 ; J12.8 194.28,46.89 ; J12.8 196.09,45.41 ; v1(78.87,16.6) 78.71,16.45 C168.2 ; J8.1 152.23,68.89 v1(152.27,68.93) ; U11.3 v1(70.65,29.66) ; 150.04,43.05 150.08,43 ; v1(181.61,47.08) 181.38,46.86 R95.2 ; C213.2 v1(73.08,24.1) ; 200.66,15.9 202.03,17.27 ; C226.2 69.91,83.09 68.73,84.27 C100.2 ; 129.41,14.45 C138.2 128.55,15.11 128.65,15.21 ; R17.1 126.29,20.29 v1(126.29,19.49) ; R204.2 v1(112.12,21.3) ; 64.77,70.45 64.87,70.35 C98.2 65.41,70.96 ; 157.86,67.79 157.84,67.8 ; C126.2 160.76,83.11 C220.2 ; J8.63 J8.64 ; v1(106.68,78.07) 106.71,78.1 C110.2 107.57,78.96 ; v1(158.12,62.45) 157.56,63 J8.14 J8.13 ; R90.2 v1(67.69,87.47) ; R142.1 v1(69.93,26.26) ; U24.1 63.88,28.42 ; R158.2 68.58,90.26 ; v1(112.24,16.54) v1(113,16.54)